# EAGLE board Mk4 Final Panel (EAGLE 9.0.1), part 15 of 18
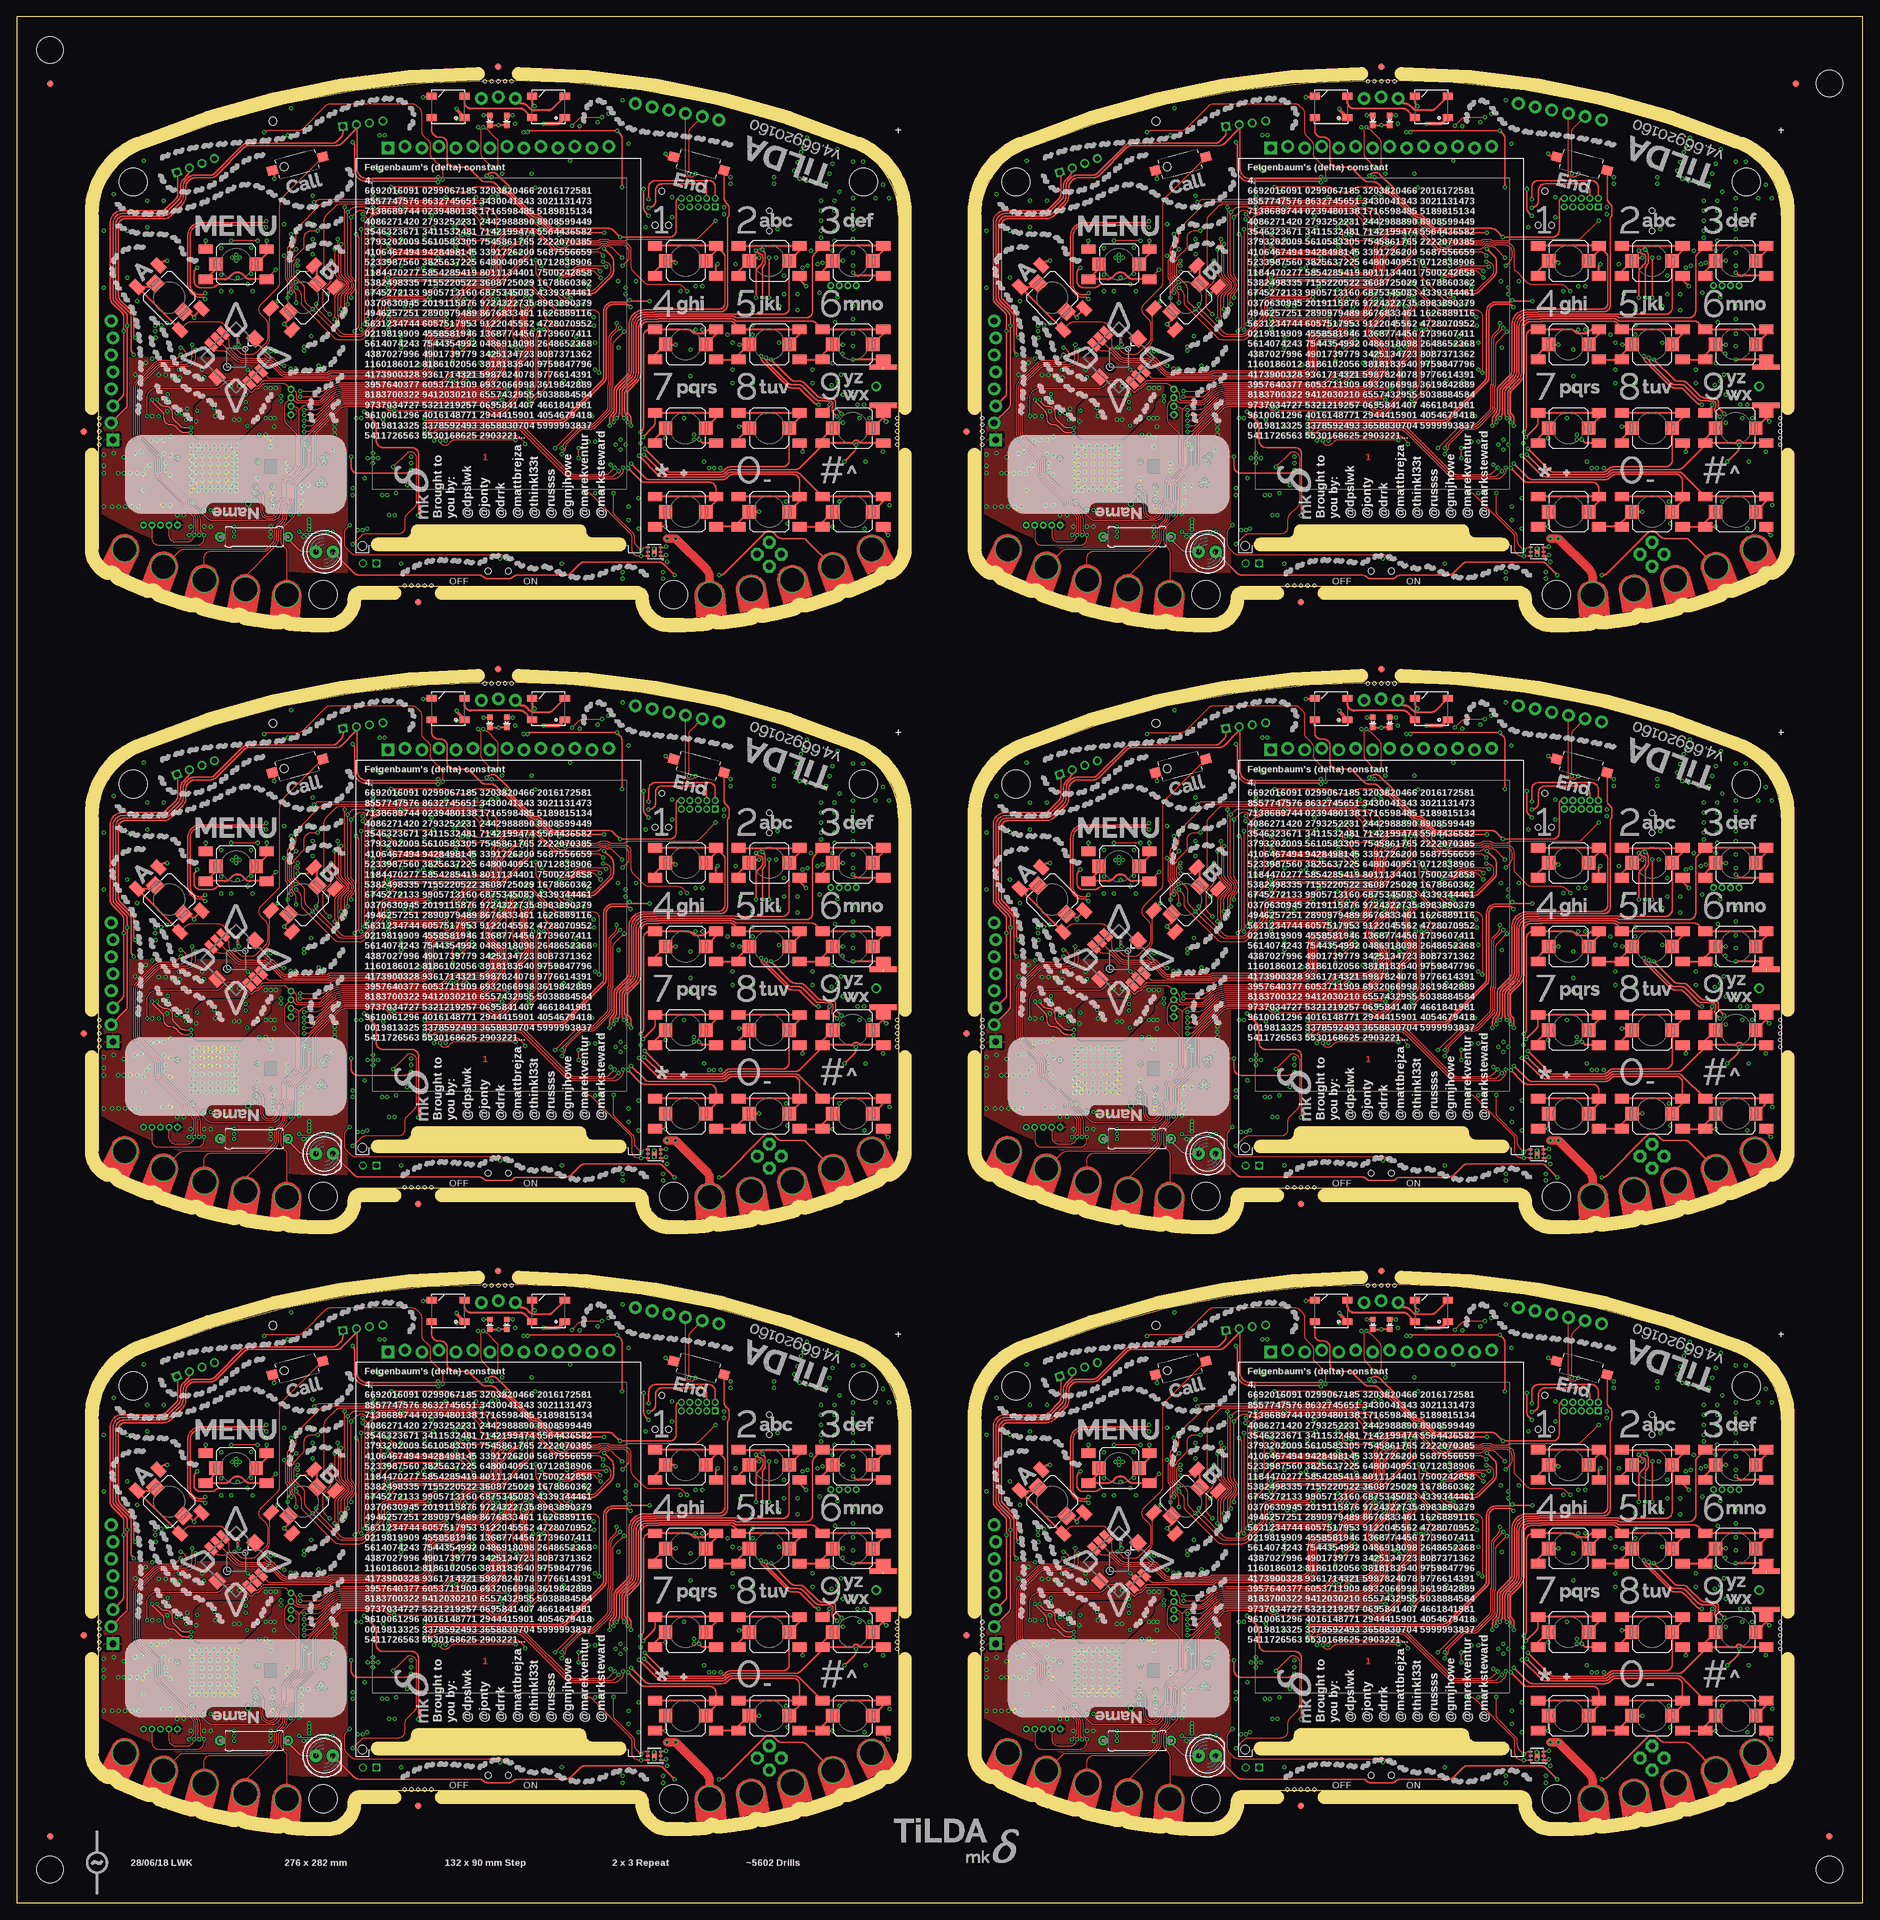
[diagram p0: board, top side]
## Tracks (layer width: path | path; a pad name or v marks a point on that pad's centre or on a via) (continued)
SSI0_LCD_CS3 (continued)
  Bottom 0.15: J31.38 197.75,140.09 arc-45 198.04,140.79 198.58,141.33 arc45 198.88,142.04 198.88,142.92 arc45 198.82,143.06 197.92,143.96 arc45 196.85,144.4 196.15,144.4 arc-90 194.9,145.65 194.9,149.25 arc-90 195.65,150 IC56.36
SSI0_LCD_CS4
  Bottom 0.15: J41.38 65.75,230.09 arc-45 66.04,230.79 66.58,231.33 arc45 66.88,232.04 66.88,232.92 arc45 66.82,233.06 65.92,233.96 arc45 64.85,234.4 64.15,234.4 arc-90 62.9,235.65 62.9,239.25 arc-90 63.65,240 IC74.36
SSI0_LCD_CS5
  Bottom 0.15: J51.38 197.75,230.09 arc-45 198.04,230.79 198.58,231.33 arc45 198.88,232.04 198.88,232.92 arc45 198.82,233.06 197.92,233.96 arc45 196.85,234.4 196.15,234.4 arc-90 194.9,235.65 194.9,239.25 arc-90 195.65,240 IC92.36
SSI0_LCD_MISO  (via drill 0.3)
  Top 0.15: v65.8,51.8 65.89,51.8 arc45 66.59,52.09 67.21,52.71 arc-45 67.91,53 v68.45,53
  Bottom 0.15: IC1.38 63.55,60.8 arc90 62.3,59.55 62.3,55.55 arc90 64.05,53.8 64.79,53.8 arc-45 65.49,53.51 65.51,53.49 arc-45 65.8,52.79 v65.8,51.8 | J2.33 68.25,52.52 arc-45 v68.45,53
SSI0_LCD_MISO1  (via drill 0.3)
  Top 0.15: v197.8,51.8 197.89,51.8 arc45 198.59,52.09 199.21,52.71 arc-45 199.91,53 v200.45,53
  Bottom 0.15: IC20.38 195.55,60.8 arc90 194.3,59.55 194.3,55.55 arc90 196.05,53.8 196.79,53.8 arc-45 197.49,53.51 197.51,53.49 arc-45 197.8,52.79 v197.8,51.8 | J6.33 200.25,52.52 arc-45 v200.45,53
SSI0_LCD_MISO2  (via drill 0.3)
  Top 0.15: v65.8,141.8 65.89,141.8 arc45 66.59,142.09 67.21,142.71 arc-45 67.91,143 v68.45,143
  Bottom 0.15: IC38.38 63.55,150.8 arc90 62.3,149.55 62.3,145.55 arc90 64.05,143.8 64.79,143.8 arc-45 65.49,143.51 65.51,143.49 arc-45 65.8,142.79 v65.8,141.8 | J21.33 68.25,142.52 arc-45 v68.45,143
SSI0_LCD_MISO3  (via drill 0.3)
  Top 0.15: v197.8,141.8 197.89,141.8 arc45 198.59,142.09 199.21,142.71 arc-45 199.91,143 v200.45,143
  Bottom 0.15: IC56.38 195.55,150.8 arc90 194.3,149.55 194.3,145.55 arc90 196.05,143.8 196.79,143.8 arc-45 197.49,143.51 197.51,143.49 arc-45 197.8,142.79 v197.8,141.8 | J31.33 200.25,142.52 arc-45 v200.45,143
SSI0_LCD_MISO4  (via drill 0.3)
  Top 0.15: v65.8,231.8 65.89,231.8 arc45 66.59,232.09 67.21,232.71 arc-45 67.91,233 v68.45,233
  Bottom 0.15: IC74.38 63.55,240.8 arc90 62.3,239.55 62.3,235.55 arc90 64.05,233.8 64.79,233.8 arc-45 65.49,233.51 65.51,233.49 arc-45 65.8,232.79 v65.8,231.8 | J41.33 68.25,232.52 arc-45 v68.45,233
SSI0_LCD_MISO5  (via drill 0.3)
  Top 0.15: v197.8,231.8 197.89,231.8 arc45 198.59,232.09 199.21,232.71 arc-45 199.91,233 v200.45,233
  Bottom 0.15: IC92.38 195.55,240.8 arc90 194.3,239.55 194.3,235.55 arc90 196.05,233.8 196.79,233.8 arc-45 197.49,233.51 197.51,233.49 arc-45 197.8,232.79 v197.8,231.8 | J51.33 200.25,232.52 arc-45 v200.45,233
SSI0_LCD_MOSI  (via drill 0.3)
  Top 0.15: v66.35,52.7 arc45 66.95,52.95 67.45,53.45 arc-45 v68.05,53.7
  Bottom 0.15: J2.34 67.75,50.5 67.8,50.55 67.8,53.1 arc-45 v68.05,53.7 | IC1.37 63.6,60.4 arc90 62.6,59.4 62.6,55.6 arc90 64.1,54.1 64.83,54.1 arc-45 65.72,53.73 66.2,53.25 arc-45 66.35,52.89 v66.35,52.7
SSI0_LCD_MOSI1  (via drill 0.3)
  Top 0.15: v198.35,52.7 arc45 198.95,52.95 199.45,53.45 arc-45 v200.05,53.7
  Bottom 0.15: J6.34 199.75,50.5 199.8,50.55 199.8,53.1 arc-45 v200.05,53.7 | IC20.37 195.6,60.4 arc90 194.6,59.4 194.6,55.6 arc90 196.1,54.1 196.83,54.1 arc-45 197.72,53.73 198.2,53.25 arc-45 198.35,52.89 v198.35,52.7
SSI0_LCD_MOSI2  (via drill 0.3)
  Top 0.15: v66.35,142.7 arc45 66.95,142.95 67.45,143.45 arc-45 v68.05,143.7
  Bottom 0.15: J21.34 67.75,140.5 67.8,140.55 67.8,143.1 arc-45 v68.05,143.7 | IC38.37 63.6,150.4 arc90 62.6,149.4 62.6,145.6 arc90 64.1,144.1 64.83,144.1 arc-45 65.72,143.73 66.2,143.25 arc-45 66.35,142.89 v66.35,142.7
SSI0_LCD_MOSI3  (via drill 0.3)
  Top 0.15: v198.35,142.7 arc45 198.95,142.95 199.45,143.45 arc-45 v200.05,143.7
  Bottom 0.15: J31.34 199.75,140.5 199.8,140.55 199.8,143.1 arc-45 v200.05,143.7 | IC56.37 195.6,150.4 arc90 194.6,149.4 194.6,145.6 arc90 196.1,144.1 196.83,144.1 arc-45 197.72,143.73 198.2,143.25 arc-45 198.35,142.89 v198.35,142.7
SSI0_LCD_MOSI4  (via drill 0.3)
  Top 0.15: v66.35,232.7 arc45 66.95,232.95 67.45,233.45 arc-45 v68.05,233.7
  Bottom 0.15: J41.34 67.75,230.5 67.8,230.55 67.8,233.1 arc-45 v68.05,233.7 | IC74.37 63.6,240.4 arc90 62.6,239.4 62.6,235.6 arc90 64.1,234.1 64.83,234.1 arc-45 65.72,233.73 66.2,233.25 arc-45 66.35,232.89 v66.35,232.7
SSI0_LCD_MOSI5  (via drill 0.3)
  Top 0.15: v198.35,232.7 arc45 198.95,232.95 199.45,233.45 arc-45 v200.05,233.7
  Bottom 0.15: J51.34 199.75,230.5 199.8,230.55 199.8,233.1 arc-45 v200.05,233.7 | IC92.37 195.6,240.4 arc90 194.6,239.4 194.6,235.6 arc90 196.1,234.1 196.83,234.1 arc-45 197.72,233.73 198.2,233.25 arc-45 198.35,232.89 v198.35,232.7
SSI2_CC_!CS  (via drill 0.3)
  Top 0.15: v43,40 43.7,40 47.86,44.16 arc-45 48.92,44.6 70.69,44.6 arc-45 71.39,44.31 v71.5,44.2 | v78,55.2 78,55.06 arc-45 77.89,54.8 arc45 77.6,54.1 77.6,47.01 arc-45 77.31,46.31 v76.6,45.6
  Bottom 0.15: IC15.8 29.75,27.95 arc90 30.75,26.95 38.5,26.95 arc90 40,28.45 40,30.39 arc-45 40.29,31.09 41.71,32.51 arc45 42.3,33.93 42.3,38.94 arc-45 42.59,39.64 42.95,40 v43,40 | IC1.3 77.4,56.21 arc45 77.69,55.51 v78,55.2 | v76.6,45.6 73.75,45.6 arc-45 73.25,45.81 arc45 72.54,46.1 72.5,46.1 arc90 71.5,45.1 v71.5,44.2
SSI2_CC_!CS1  (via drill 0.3)
  Top 0.15: v175,40 175.7,40 179.86,44.16 arc-45 180.92,44.6 202.69,44.6 arc-45 203.39,44.31 v203.5,44.2 | v210,55.2 210,55.06 arc-45 209.89,54.8 arc45 209.6,54.1 209.6,47.01 arc-45 209.31,46.31 v208.6,45.6
  Bottom 0.15: IC29.8 161.75,27.95 arc90 162.75,26.95 170.5,26.95 arc90 172,28.45 172,30.39 arc-45 172.29,31.09 173.71,32.51 arc45 174.3,33.93 174.3,38.94 arc-45 174.59,39.64 174.95,40 v175,40 | IC20.3 209.4,56.21 arc45 209.69,55.51 v210,55.2 | v208.6,45.6 205.75,45.6 arc-45 205.25,45.81 arc45 204.54,46.1 204.5,46.1 arc90 203.5,45.1 v203.5,44.2
SSI2_CC_!CS2  (via drill 0.3)
  Top 0.15: v43,130 43.7,130 47.86,134.16 arc-45 48.92,134.6 70.69,134.6 arc-45 71.39,134.31 v71.5,134.2 | v78,145.2 78,145.06 arc-45 77.89,144.8 arc45 77.6,144.1 77.6,137.01 arc-45 77.31,136.31 v76.6,135.6
  Bottom 0.15: IC47.8 29.75,117.95 arc90 30.75,116.95 38.5,116.95 arc90 40,118.45 40,120.39 arc-45 40.29,121.09 41.71,122.51 arc45 42.3,123.93 42.3,128.94 arc-45 42.59,129.64 42.95,130 v43,130 | IC38.3 77.4,146.21 arc45 77.69,145.51 v78,145.2 | v76.6,135.6 73.75,135.6 arc-45 73.25,135.81 arc45 72.54,136.1 72.5,136.1 arc90 71.5,135.1 v71.5,134.2
SSI2_CC_!CS3  (via drill 0.3)
  Top 0.15: v175,130 175.7,130 179.86,134.16 arc-45 180.92,134.6 202.69,134.6 arc-45 203.39,134.31 v203.5,134.2 | v210,145.2 210,145.06 arc-45 209.89,144.8 arc45 209.6,144.1 209.6,137.01 arc-45 209.31,136.31 v208.6,135.6
  Bottom 0.15: IC65.8 161.75,117.95 arc90 162.75,116.95 170.5,116.95 arc90 172,118.45 172,120.39 arc-45 172.29,121.09 173.71,122.51 arc45 174.3,123.93 174.3,128.94 arc-45 174.59,129.64 174.95,130 v175,130 | IC56.3 209.4,146.21 arc45 209.69,145.51 v210,145.2 | v208.6,135.6 205.75,135.6 arc-45 205.25,135.81 arc45 204.54,136.1 204.5,136.1 arc90 203.5,135.1 v203.5,134.2
SSI2_CC_!CS4  (via drill 0.3)
  Top 0.15: v43,220 43.7,220 47.86,224.16 arc-45 48.92,224.6 70.69,224.6 arc-45 71.39,224.31 v71.5,224.2 | v78,235.2 78,235.06 arc-45 77.89,234.8 arc45 77.6,234.1 77.6,227.01 arc-45 77.31,226.31 v76.6,225.6
  Bottom 0.15: IC83.8 29.75,207.95 arc90 30.75,206.95 38.5,206.95 arc90 40,208.45 40,210.39 arc-45 40.29,211.09 41.71,212.51 arc45 42.3,213.93 42.3,218.94 arc-45 42.59,219.64 42.95,220 v43,220 | IC74.3 77.4,236.21 arc45 77.69,235.51 v78,235.2 | v76.6,225.6 73.75,225.6 arc-45 73.25,225.81 arc45 72.54,226.1 72.5,226.1 arc90 71.5,225.1 v71.5,224.2
SSI2_CC_!CS5  (via drill 0.3)
  Top 0.15: v175,220 175.7,220 179.86,224.16 arc-45 180.92,224.6 202.69,224.6 arc-45 203.39,224.31 v203.5,224.2 | v210,235.2 210,235.06 arc-45 209.89,234.8 arc45 209.6,234.1 209.6,227.01 arc-45 209.31,226.31 v208.6,225.6
  Bottom 0.15: IC101.8 161.75,207.95 arc90 162.75,206.95 170.5,206.95 arc90 172,208.45 172,210.39 arc-45 172.29,211.09 173.71,212.51 arc45 174.3,213.93 174.3,218.94 arc-45 174.59,219.64 174.95,220 v175,220 | IC92.3 209.4,236.21 arc45 209.69,235.51 v210,235.2 | v208.6,225.6 205.75,225.6 arc-45 205.25,225.81 arc45 204.54,226.1 204.5,226.1 arc90 203.5,225.1 v203.5,224.2
SSI2_CC_CLK  (via drill 0.3)
  Top 0.15: v43,42.4 44.83,42.4 47.27,44.84 arc-45 48.86,45.5 69.07,45.5 arc45 70.49,46.09 70.51,46.11 arc-45 71.22,46.4 v73.4,46.4 | v77.2,55.2 77.2,53.49 77.22,53.47 77.22,47.44 arc-45 76.93,46.73 v76.6,46.4
  Bottom 0.15: IC15.5 31.25,29.91 arc45 31.54,29.21 32.51,28.24 arc45 33.21,27.95 36.88,27.95 36.9,27.93 38.35,27.93 arc90 39.1,28.68 39.1,30.48 arc-45 39.61,31.71 41.03,33.13 arc45 41.4,34.02 41.4,40.39 arc-45 41.69,41.09 v43,42.4 | IC1.4 77,55.68 arc45 v77.2,55.2 | v73.4,46.4 v76.6,46.4
SSI2_CC_CLK1  (via drill 0.3)
  Top 0.15: v175,42.4 176.83,42.4 179.27,44.84 arc-45 180.86,45.5 201.07,45.5 arc45 202.49,46.09 202.51,46.11 arc-45 203.22,46.4 v205.4,46.4 | v209.2,55.2 209.2,53.49 209.22,53.47 209.22,47.44 arc-45 208.93,46.73 v208.6,46.4
  Bottom 0.15: IC29.5 163.25,29.91 arc45 163.54,29.21 164.51,28.24 arc45 165.21,27.95 168.88,27.95 168.9,27.93 170.35,27.93 arc90 171.1,28.68 171.1,30.48 arc-45 171.61,31.71 173.03,33.13 arc45 173.4,34.02 173.4,40.39 arc-45 173.69,41.09 v175,42.4 | IC20.4 209,55.68 arc45 v209.2,55.2 | v205.4,46.4 v208.6,46.4
SSI2_CC_CLK2  (via drill 0.3)
  Top 0.15: v43,132.4 44.83,132.4 47.27,134.84 arc-45 48.86,135.5 69.07,135.5 arc45 70.49,136.09 70.51,136.11 arc-45 71.22,136.4 v73.4,136.4 | v77.2,145.2 77.2,143.49 77.22,143.47 77.22,137.44 arc-45 76.93,136.73 v76.6,136.4
  Bottom 0.15: IC47.5 31.25,119.91 arc45 31.54,119.21 32.51,118.24 arc45 33.21,117.95 36.88,117.95 36.9,117.92 38.35,117.92 arc90 39.1,118.67 39.1,120.47 arc-45 39.61,121.71 41.03,123.13 arc45 41.4,124.02 41.4,130.39 arc-45 41.69,131.09 v43,132.4 | IC38.4 77,145.68 arc45 v77.2,145.2 | v73.4,136.4 v76.6,136.4
SSI2_CC_CLK3  (via drill 0.3)
  Top 0.15: v175,132.4 176.83,132.4 179.27,134.84 arc-45 180.86,135.5 201.07,135.5 arc45 202.49,136.09 202.51,136.11 arc-45 203.22,136.4 v205.4,136.4 | v209.2,145.2 209.2,143.49 209.22,143.47 209.22,137.44 arc-45 208.93,136.73 v208.6,136.4
  Bottom 0.15: IC65.5 163.25,119.91 arc45 163.54,119.21 164.51,118.24 arc45 165.21,117.95 168.88,117.95 168.9,117.92 170.35,117.92 arc90 171.1,118.67 171.1,120.47 arc-45 171.61,121.71 173.03,123.13 arc45 173.4,124.02 173.4,130.39 arc-45 173.69,131.09 v175,132.4 | IC56.4 209,145.68 arc45 v209.2,145.2 | v205.4,136.4 v208.6,136.4
SSI2_CC_CLK4  (via drill 0.3)
  Top 0.15: v43,222.4 44.83,222.4 47.27,224.84 arc-45 48.86,225.5 69.07,225.5 arc45 70.49,226.09 70.51,226.11 arc-45 71.22,226.4 v73.4,226.4 | v77.2,235.2 77.2,233.49 77.22,233.47 77.22,227.44 arc-45 76.93,226.73 v76.6,226.4
  Bottom 0.15: IC83.5 31.25,209.91 arc45 31.54,209.21 32.51,208.24 arc45 33.21,207.95 36.88,207.95 36.9,207.93 38.35,207.93 arc90 39.1,208.68 39.1,210.47 arc-45 39.61,211.71 41.03,213.13 arc45 41.4,214.02 41.4,220.39 arc-45 41.69,221.09 v43,222.4 | IC74.4 77,235.68 arc45 v77.2,235.2 | v73.4,226.4 v76.6,226.4
SSI2_CC_CLK5  (via drill 0.3)
  Top 0.15: v175,222.4 176.83,222.4 179.27,224.84 arc-45 180.86,225.5 201.07,225.5 arc45 202.49,226.09 202.51,226.11 arc-45 203.22,226.4 v205.4,226.4 | v209.2,235.2 209.2,233.49 209.22,233.47 209.22,227.44 arc-45 208.93,226.73 v208.6,226.4
  Bottom 0.15: IC101.5 163.25,209.91 arc45 163.54,209.21 164.51,208.24 arc45 165.21,207.95 168.88,207.95 168.9,207.93 170.35,207.93 arc90 171.1,208.68 171.1,210.47 arc-45 171.61,211.71 173.03,213.13 arc45 173.4,214.02 173.4,220.39 arc-45 173.69,221.09 v175,222.4 | IC92.4 209,235.68 arc45 v209.2,235.2 | v205.4,226.4 v208.6,226.4
SSI2_CC_MISO  (via drill 0.3)
  Top 0.15: v43,40.8 44.08,40.8 47.67,44.39 arc-45 48.9,44.9 72.24,44.9 arc-45 v72.6,44.75 | v78.75,55.24 78.53,55.01 arc-45 78.5,54.96 78.19,54.65 arc45 77.9,53.94 77.9,46.21 arc-45 77.61,45.51 76.9,44.8 v76.6,44.8
  Bottom 0.15: IC15.7 30.25,29 R71.1 30.59,28.75 arc-45 31.29,28.46 32.06,27.69 arc45 33.12,27.25 38.45,27.25 arc90 39.7,28.5 39.7,30.43 arc-45 40.07,31.32 41.49,32.74 arc45 42,33.98 42,39.39 arc-45 42.29,40.09 v43,40.8 | IC1.1 78.2,56.6 78.31,56.49 arc-45 78.6,55.79 78.6,55.6 arc45 v78.75,55.24 | v76.6,44.8 76.55,44.75 v72.6,44.75
SSI2_CC_MISO1  (via drill 0.3)
  Top 0.15: v175,40.8 176.08,40.8 179.67,44.39 arc-45 180.9,44.9 204.24,44.9 arc-45 v204.6,44.75 | v210.75,55.24 210.53,55.01 arc-45 210.5,54.96 210.19,54.65 arc45 209.9,53.94 209.9,46.21 arc-45 209.61,45.51 208.9,44.8 v208.6,44.8
  Bottom 0.15: IC29.7 162.25,29 R149.1 162.59,28.75 arc-45 163.29,28.46 164.06,27.69 arc45 165.12,27.25 170.45,27.25 arc90 171.7,28.5 171.7,30.43 arc-45 172.07,31.32 173.49,32.74 arc45 174,33.98 174,39.39 arc-45 174.29,40.09 v175,40.8 | IC20.1 210.2,56.6 210.31,56.49 arc-45 210.6,55.79 210.6,55.6 arc45 v210.75,55.24 | v208.6,44.8 208.55,44.75 v204.6,44.75
SSI2_CC_MISO2  (via drill 0.3)
  Top 0.15: v43,130.8 44.08,130.8 47.67,134.39 arc-45 48.9,134.9 72.24,134.9 arc-45 v72.6,134.75 | v78.75,145.24 78.53,145.01 arc-45 78.5,144.96 78.19,144.65 arc45 77.9,143.94 77.9,136.21 arc-45 77.61,135.51 76.9,134.8 v76.6,134.8
  Bottom 0.15: IC47.7 30.25,119 R227.1 30.59,118.75 arc-45 31.29,118.46 32.06,117.69 arc45 33.12,117.25 38.45,117.25 arc90 39.7,118.5 39.7,120.43 arc-45 40.07,121.32 41.49,122.74 arc45 42,123.97 42,129.39 arc-45 42.29,130.09 v43,130.8 | IC38.1 78.2,146.6 78.31,146.49 arc-45 78.6,145.79 78.6,145.6 arc45 v78.75,145.24 | v76.6,134.8 76.55,134.75 v72.6,134.75
SSI2_CC_MISO3  (via drill 0.3)
  Top 0.15: v175,130.8 176.08,130.8 179.67,134.39 arc-45 180.9,134.9 204.24,134.9 arc-45 v204.6,134.75 | v210.75,145.24 210.53,145.01 arc-45 210.5,144.96 210.19,144.65 arc45 209.9,143.94 209.9,136.21 arc-45 209.61,135.51 208.9,134.8 v208.6,134.8
  Bottom 0.15: IC65.7 162.25,119 R305.1 162.59,118.75 arc-45 163.29,118.46 164.06,117.69 arc45 165.12,117.25 170.45,117.25 arc90 171.7,118.5 171.7,120.43 arc-45 172.07,121.32 173.49,122.74 arc45 174,123.97 174,129.39 arc-45 174.29,130.09 v175,130.8 | IC56.1 210.2,146.6 210.31,146.49 arc-45 210.6,145.79 210.6,145.6 arc45 v210.75,145.24 | v208.6,134.8 208.55,134.75 v204.6,134.75
SSI2_CC_MISO4  (via drill 0.3)
  Top 0.15: v43,220.8 44.08,220.8 47.67,224.39 arc-45 48.9,224.9 72.24,224.9 arc-45 v72.6,224.75 | v78.75,235.24 78.53,235.01 arc-45 78.5,234.96 78.19,234.65 arc45 77.9,233.94 77.9,226.21 arc-45 77.61,225.51 76.9,224.8 v76.6,224.8
  Bottom 0.15: IC83.7 30.25,209 R383.1 30.59,208.75 arc-45 31.29,208.46 32.06,207.69 arc45 33.12,207.25 38.45,207.25 arc90 39.7,208.5 39.7,210.43 arc-45 40.07,211.32 41.49,212.74 arc45 42,213.97 42,219.39 arc-45 42.29,220.09 v43,220.8 | IC74.1 78.2,236.6 78.31,236.49 arc-45 78.6,235.79 78.6,235.6 arc45 v78.75,235.24 | v76.6,224.8 76.55,224.75 v72.6,224.75
SSI2_CC_MISO5  (via drill 0.3)
  Top 0.15: v175,220.8 176.08,220.8 179.67,224.39 arc-45 180.9,224.9 204.24,224.9 arc-45 v204.6,224.75 | v210.75,235.24 210.53,235.01 arc-45 210.5,234.96 210.19,234.65 arc45 209.9,233.94 209.9,226.21 arc-45 209.61,225.51 208.9,224.8 v208.6,224.8
  Bottom 0.15: IC101.7 162.25,209 R461.1 162.59,208.75 arc-45 163.29,208.46 164.06,207.69 arc45 165.12,207.25 170.45,207.25 arc90 171.7,208.5 171.7,210.43 arc-45 172.07,211.32 173.49,212.74 arc45 174,213.97 174,219.39 arc-45 174.29,220.09 v175,220.8 | IC92.1 210.2,236.6 210.31,236.49 arc-45 210.6,235.79 210.6,235.6 arc45 v210.75,235.24 | v208.6,224.8 208.55,224.75 v204.6,224.75
SSI2_CC_MOSI  (via drill 0.3)
  Top 0.15: v43,41.6 44.45,41.6 47.47,44.61 arc-45 48.88,45.2 71.89,45.2 arc45 v72.59,45.49 v72.6,45.5 | v78,56 78.5,56 arc-90 79.5,55 79.5,47.31 arc-45 79.21,46.61 v76.6,44
  Bottom 0.15: IC15.6 30.75,29.91 arc45 31.04,29.21 32.23,28.02 arc45 33.12,27.65 36.75,27.65 36.78,27.62 38.4,27.62 arc90 39.4,28.62 39.4,30.45 arc-45 39.84,31.51 41.26,32.94 arc45 41.7,34 41.7,39.89 arc-45 41.99,40.59 v43,41.6 | IC1.2 77.8,56.48 arc45 v78,56 | v72.6,45.5 arc90 72,44.9 arc90 72.9,44 v76.6,44
SSI2_CC_MOSI1  (via drill 0.3)
  Top 0.15: v175,41.6 176.45,41.6 179.47,44.61 arc-45 180.88,45.2 203.89,45.2 arc45 v204.59,45.49 v204.6,45.5 | v210,56 210.5,56 arc-90 211.5,55 211.5,47.31 arc-45 211.21,46.61 v208.6,44
  Bottom 0.15: IC29.6 162.75,29.91 arc45 163.04,29.21 164.23,28.02 arc45 165.12,27.65 168.75,27.65 168.78,27.62 170.4,27.62 arc90 171.4,28.62 171.4,30.45 arc-45 171.84,31.51 173.26,32.94 arc45 173.7,34 173.7,39.89 arc-45 173.99,40.59 v175,41.6 | IC20.2 209.8,56.48 arc45 v210,56 | v204.6,45.5 arc90 204,44.9 arc90 204.9,44 v208.6,44
SSI2_CC_MOSI2  (via drill 0.3)
  Top 0.15: v43,131.6 44.45,131.6 47.47,134.61 arc-45 48.88,135.2 71.89,135.2 arc45 v72.59,135.49 v72.6,135.5 | v78,146 78.5,146 arc-90 79.5,145 79.5,137.31 arc-45 79.21,136.61 v76.6,134
  Bottom 0.15: IC47.6 30.75,119.91 arc45 31.04,119.21 32.23,118.02 arc45 33.12,117.65 36.75,117.65 36.78,117.62 38.4,117.62 arc90 39.4,118.62 39.4,120.45 arc-45 39.84,121.51 41.26,122.94 arc45 41.7,124 41.7,129.89 arc-45 41.99,130.59 v43,131.6 | IC38.2 77.8,146.48 arc45 v78,146 | v72.6,135.5 arc90 72,134.9 arc90 72.9,134 v76.6,134
SSI2_CC_MOSI3  (via drill 0.3)
  Top 0.15: v175,131.6 176.45,131.6 179.47,134.61 arc-45 180.88,135.2 203.89,135.2 arc45 v204.59,135.49 v204.6,135.5 | v210,146 210.5,146 arc-90 211.5,145 211.5,137.31 arc-45 211.21,136.61 v208.6,134
  Bottom 0.15: IC65.6 162.75,119.91 arc45 163.04,119.21 164.23,118.02 arc45 165.12,117.65 168.75,117.65 168.78,117.62 170.4,117.62 arc90 171.4,118.62 171.4,120.45 arc-45 171.84,121.51 173.26,122.94 arc45 173.7,124 173.7,129.89 arc-45 173.99,130.59 v175,131.6 | IC56.2 209.8,146.48 arc45 v210,146 | v204.6,135.5 arc90 204,134.9 arc90 204.9,134 v208.6,134
SSI2_CC_MOSI4  (via drill 0.3)
  Top 0.15: v43,221.6 44.45,221.6 47.47,224.61 arc-45 48.88,225.2 71.89,225.2 arc45 v72.59,225.49 v72.6,225.5 | v78,236 78.5,236 arc-90 79.5,235 79.5,227.31 arc-45 79.21,226.61 v76.6,224
  Bottom 0.15: IC83.6 30.75,209.91 arc45 31.04,209.21 32.23,208.02 arc45 33.12,207.65 36.75,207.65 36.78,207.62 38.4,207.62 arc90 39.4,208.62 39.4,210.45 arc-45 39.84,211.51 41.26,212.94 arc45 41.7,214 41.7,219.89 arc-45 41.99,220.59 v43,221.6 | IC74.2 77.8,236.48 arc45 v78,236 | v72.6,225.5 arc90 72,224.9 arc90 72.9,224 v76.6,224
SSI2_CC_MOSI5  (via drill 0.3)
  Top 0.15: v175,221.6 176.45,221.6 179.47,224.61 arc-45 180.88,225.2 203.89,225.2 arc45 v204.59,225.49 v204.6,225.5 | v210,236 210.5,236 arc-90 211.5,235 211.5,227.31 arc-45 211.21,226.61 v208.6,224
  Bottom 0.15: IC101.6 162.75,209.91 arc45 163.04,209.21 164.23,208.02 arc45 165.12,207.65 168.75,207.65 168.78,207.62 170.4,207.62 arc90 171.4,208.62 171.4,210.45 arc-45 171.84,211.51 173.26,212.94 arc45 173.7,214 173.7,219.89 arc-45 173.99,220.59 v175,221.6 | IC92.2 209.8,236.48 arc45 v210,236 | v204.6,225.5 arc90 204,224.9 arc90 204.9,224 v208.6,224
SSI3_CLK
  Bottom 0.15: IC6.6 81.33,54.5 77.35,54.5 arc-90 76.6,55.25 IC1.5
SSI3_CLK1
  Bottom 0.15: IC22.6 213.33,54.5 209.35,54.5 arc-90 208.6,55.25 IC20.5
SSI3_CLK2
  Bottom 0.15: IC40.6 81.33,144.5 77.35,144.5 arc-90 76.6,145.25 IC38.5
SSI3_CLK3
  Bottom 0.15: IC58.6 213.33,144.5 209.35,144.5 arc-90 208.6,145.25 IC56.5
SSI3_CLK4
  Bottom 0.15: IC76.6 81.33,234.5 77.35,234.5 arc-90 76.6,235.25 IC74.5
SSI3_CLK5
  Bottom 0.15: IC94.6 213.33,234.5 209.35,234.5 arc-90 208.6,235.25 IC92.5
SSI3_DAT0  (via drill 0.3)
  Top 0.15: v74.7,59.2 74.6,59.1 arc45 74.45,58.74 74.45,58.56 arc-45 74.3,58.2 arc45 74.2,57.95 74.2,54.41 arc45 74.49,53.71 74.51,53.69 arc-45 74.8,52.99 74.8,52.44 arc-45 v74.7,52.2
  Bottom 0.15: IC1.11 74.2,57.95 arc-45 74.3,58.2 arc45 74.45,58.56 74.45,58.74 arc-45 74.6,59.1 v74.7,59.2 | IC6.5 77.57,53.24 arc45 76.86,52.95 76.4,52.49 arc-45 75.7,52.2 v74.7,52.2
SSI3_DAT1  (via drill 0.3)
  Top 0.15: v86.3,55.8 80.67,55.8 arc-45 79.97,56.09 79.09,56.97 arc-45 78.8,57.67 78.8,59.09 arc45 78.51,59.79 77.39,60.91 arc45 76.69,61.2 70.01,61.2 arc45 69.31,60.91 68.09,59.69 arc45 67.8,58.99 v67.8,58.6
  Bottom 0.15: IC1.27 v67.8,58.6 | IC6.2 86.31,55.78 v86.3,55.8
SSI3_DAT2  (via drill 0.3)
  Top 0.15: v218.3,55.8 212.67,55.8 arc-45 211.97,56.09 211.09,56.97 arc-45 210.8,57.67 210.8,59.09 arc45 210.51,59.79 209.39,60.91 arc45 208.69,61.2 202.01,61.2 arc45 201.31,60.91 200.09,59.69 arc45 199.8,58.99 v199.8,58.6
  Bottom 0.15: IC20.27 v199.8,58.6 | IC22.2 218.31,55.78 v218.3,55.8
SSI3_DAT3  (via drill 0.3)
  Top 0.15: v206.7,59.2 206.6,59.1 arc45 206.45,58.74 206.45,58.56 arc-45 206.3,58.2 arc45 206.2,57.95 206.2,54.41 arc45 206.49,53.71 206.51,53.69 arc-45 206.8,52.99 206.8,52.44 arc-45 v206.7,52.2
  Bottom 0.15: IC20.11 206.2,57.95 arc-45 206.3,58.2 arc45 206.45,58.56 206.45,58.74 arc-45 206.6,59.1 v206.7,59.2 | IC22.5 209.57,53.24 arc45 208.86,52.95 208.4,52.49 arc-45 207.7,52.2 v206.7,52.2
SSI3_DAT4  (via drill 0.3)
  Top 0.15: v86.3,145.8 80.67,145.8 arc-45 79.97,146.09 79.09,146.97 arc-45 78.8,147.67 78.8,149.09 arc45 78.51,149.79 77.39,150.91 arc45 76.69,151.2 70.01,151.2 arc45 69.31,150.91 68.09,149.69 arc45 67.8,148.99 v67.8,148.6
  Bottom 0.15: IC38.27 v67.8,148.6 | IC40.2 86.31,145.78 v86.3,145.8
SSI3_DAT5  (via drill 0.3)
  Top 0.15: v74.7,149.2 74.6,149.1 arc45 74.45,148.74 74.45,148.56 arc-45 74.3,148.2 arc45 74.2,147.95 74.2,144.41 arc45 74.49,143.71 74.51,143.69 arc-45 74.8,142.99 74.8,142.44 arc-45 v74.7,142.2
  Bottom 0.15: IC38.11 74.2,147.95 arc-45 74.3,148.2 arc45 74.45,148.56 74.45,148.74 arc-45 74.6,149.1 v74.7,149.2 | IC40.5 77.57,143.25 arc45 76.86,142.95 76.4,142.49 arc-45 75.7,142.2 v74.7,142.2
SSI3_DAT6  (via drill 0.3)
  Top 0.15: v218.3,145.8 212.67,145.8 arc-45 211.97,146.09 211.09,146.97 arc-45 210.8,147.67 210.8,149.09 arc45 210.51,149.79 209.39,150.91 arc45 208.69,151.2 202.01,151.2 arc45 201.31,150.91 200.09,149.69 arc45 199.8,148.99 v199.8,148.6
  Bottom 0.15: IC56.27 v199.8,148.6 | IC58.2 218.31,145.78 v218.3,145.8
SSI3_DAT7  (via drill 0.3)
  Top 0.15: v206.7,149.2 206.6,149.1 arc45 206.45,148.74 206.45,148.56 arc-45 206.3,148.2 arc45 206.2,147.95 206.2,144.41 arc45 206.49,143.71 206.51,143.69 arc-45 206.8,142.99 206.8,142.44 arc-45 v206.7,142.2
  Bottom 0.15: IC56.11 206.2,147.95 arc-45 206.3,148.2 arc45 206.45,148.56 206.45,148.74 arc-45 206.6,149.1 v206.7,149.2 | IC58.5 209.57,143.25 arc45 208.86,142.95 208.4,142.49 arc-45 207.7,142.2 v206.7,142.2
SSI3_DAT8  (via drill 0.3)
  Top 0.15: v86.3,235.8 80.67,235.8 arc-45 79.97,236.09 79.09,236.97 arc-45 78.8,237.67 78.8,239.09 arc45 78.51,239.79 77.39,240.91 arc45 76.69,241.2 70.01,241.2 arc45 69.31,240.91 68.09,239.69 arc45 67.8,238.99 v67.8,238.6
  Bottom 0.15: IC74.27 v67.8,238.6 | IC76.2 86.31,235.78 v86.3,235.8
SSI3_DAT9  (via drill 0.3)
  Top 0.15: v74.7,239.2 74.6,239.1 arc45 74.45,238.74 74.45,238.56 arc-45 74.3,238.2 arc45 74.2,237.95 74.2,234.41 arc45 74.49,233.71 74.51,233.69 arc-45 74.8,232.99 74.8,232.44 arc-45 v74.7,232.2
  Bottom 0.15: IC74.11 74.2,237.95 arc-45 74.3,238.2 arc45 74.45,238.56 74.45,238.74 arc-45 74.6,239.1 v74.7,239.2 | IC76.5 77.57,233.25 arc45 76.86,232.95 76.4,232.49 arc-45 75.7,232.2 v74.7,232.2
SSI3_DAT10  (via drill 0.3)
  Top 0.15: v218.3,235.8 212.67,235.8 arc-45 211.97,236.09 211.09,236.97 arc-45 210.8,237.67 210.8,239.09 arc45 210.51,239.79 209.39,240.91 arc45 208.69,241.2 202.01,241.2 arc45 201.31,240.91 200.09,239.69 arc45 199.8,238.99 v199.8,238.6
  Bottom 0.15: IC92.27 v199.8,238.6 | IC94.2 218.31,235.78 v218.3,235.8
SSI3_DAT11  (via drill 0.3)
  Top 0.15: v206.7,239.2 206.6,239.1 arc45 206.45,238.74 206.45,238.56 arc-45 206.3,238.2 arc45 206.2,237.95 206.2,234.41 arc45 206.49,233.71 206.51,233.69 arc-45 206.8,232.99 206.8,232.44 arc-45 v206.7,232.2
  Bottom 0.15: IC92.11 206.2,237.95 arc-45 206.3,238.2 arc45 206.45,238.56 206.45,238.74 arc-45 206.6,239.1 v206.7,239.2 | IC94.5 209.57,233.25 arc45 208.86,232.95 208.4,232.49 arc-45 207.7,232.2 v206.7,232.2
SSI3_FSS  (via drill 0.3)
  3V3@2 0.15: v83.6,54.2 83.6,54.6 83.6,54.7 85.95,57.05 v86.25,57.05
  Bottom 0.15: IC1.6 76.2,54.9 arc90 77.2,53.9 82.49,53.9 arc45 82.85,54.05 82.85,54.05 arc-45 83.21,54.2 v83.6,54.2 | v86.25,57.05 IC6.1
SSI3_FSS1  (via drill 0.3)
  3V3@2 0.15: v215.6,54.2 215.6,54.6 215.6,54.7 217.96,57.05 v218.25,57.05
  Bottom 0.15: IC20.6 208.2,54.9 arc90 209.2,53.9 214.49,53.9 arc45 214.85,54.05 214.85,54.05 arc-45 215.21,54.2 v215.6,54.2 | v218.25,57.05 IC22.1
SSI3_FSS2  (via drill 0.3)
  3V3@2 0.15: v83.6,144.2 83.6,144.6 83.6,144.7 85.95,147.06 v86.25,147.06
  Bottom 0.15: IC38.6 76.2,144.9 arc90 77.2,143.9 82.49,143.9 arc45 82.85,144.05 82.85,144.05 arc-45 83.21,144.2 v83.6,144.2 | v86.25,147.06 IC40.1
SSI3_FSS3  (via drill 0.3)
  3V3@2 0.15: v215.6,144.2 215.6,144.6 215.6,144.7 217.96,147.06 v218.25,147.06
  Bottom 0.15: IC56.6 208.2,144.9 arc90 209.2,143.9 214.49,143.9 arc45 214.85,144.05 214.85,144.05 arc-45 215.21,144.2 v215.6,144.2 | v218.25,147.06 IC58.1